# Allegro board A527_draft_V1_0.brd (continued)
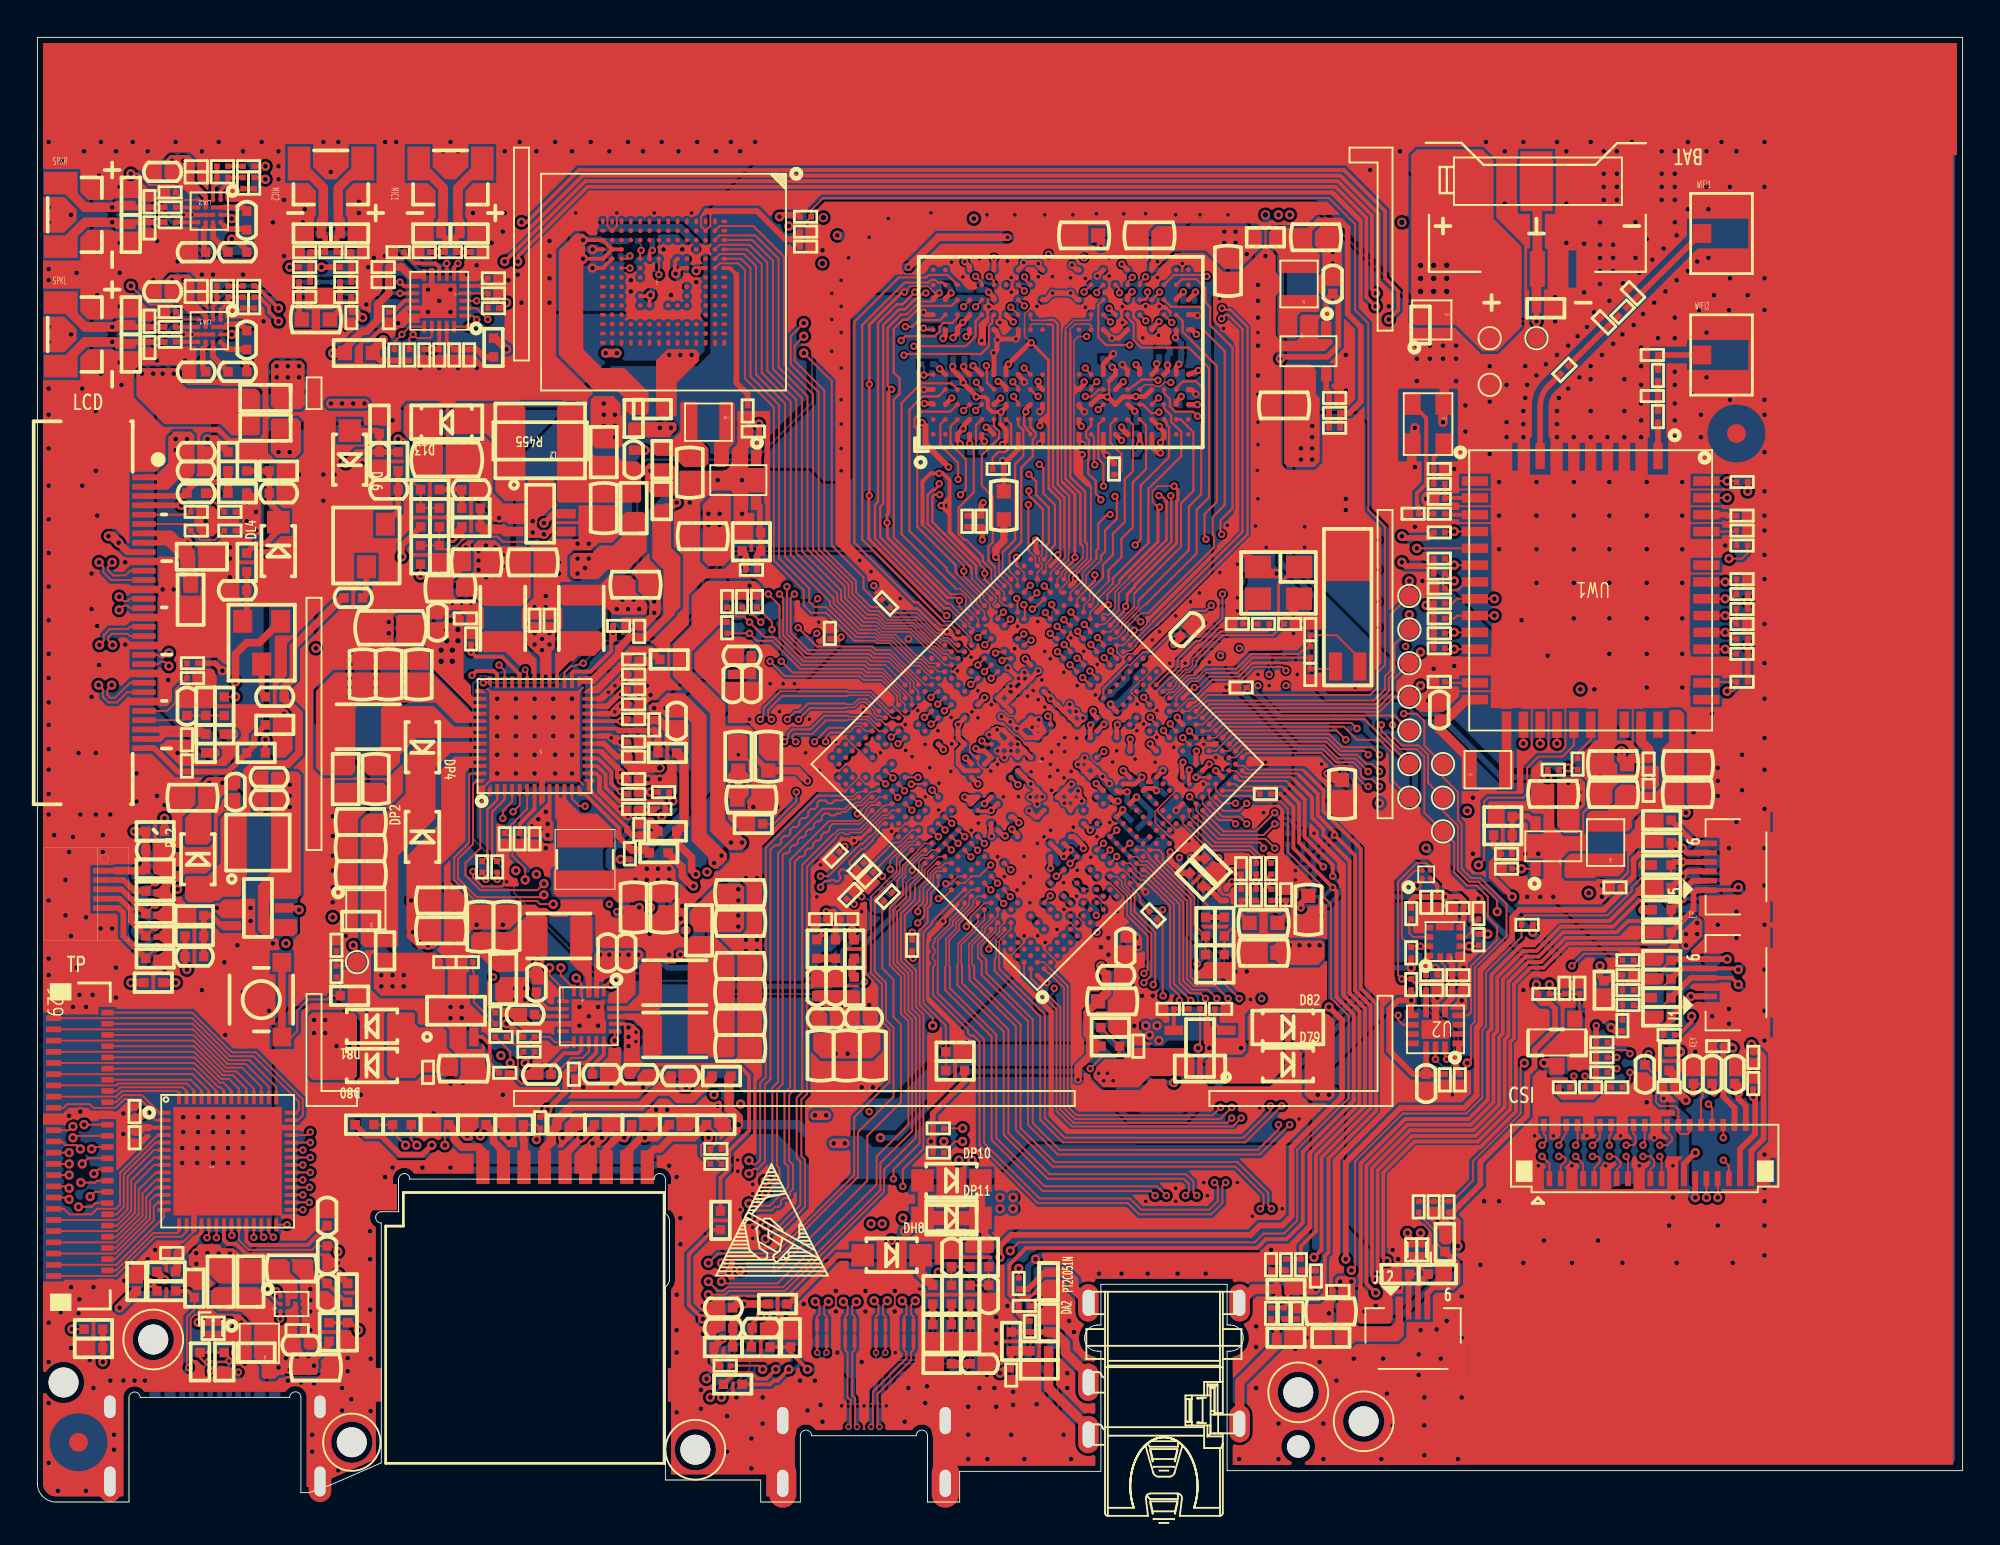
[diagram p0: board, top side]
## Nets (continued)
CLDO2: BL1.1 CP38.1 RL35.2 RL36.2 RL37.2 UP1.24(CLDO2)
CLDO3: C49.1 C50.1 C55.1 C56.1 C61.1 C91.1 C92.1 C93.1 C96.1 C97.1 C98.1 C100.1 C101.1 C102.1 C104.1 C105.1 C106.1 CM1.1 CM6.1 CP149.1 R6.2 R21.1 R22.1 R23.1 R24.1 R28.1 R29.1 R30.2 R31.2 R33.2 R35.2 R41.1 R42.1 R47.2 RA29.1 RC2.1 RC3.2 RC4.2 RH4.1 RL33.1 RL34.1 RP28.2 RP32.1 RP34.1 RP77.1 TP21.1(TP) U1.AC9(VDD33) U1.AE16(VCC-PI) U1.J18(VCC33-18-USB-2) U1.L15(VCC-IO) U1.L17(VCC33-USB-2) U1.L26(VCC-PD) U1.P9(VCC-PJ) U2.5(VDDIO) U2.8(VDD) U2.12(CS) U5.B1(VDD) U6.5(LEDA) U7.3(VDDIO) U7.7(VDD) UM1.E6(VCC1) UM1.F5(VCC2) UM1.J10(VCC3) UM1.K9(VCC4) UP8.14(PWRON)
CLDO4: CP42.1 CP67.2 RP31.1 UP1.27(CLDO4) UP7.1(EN)
CODEC0-AVDD: CA47.1 CA48.1 CA53.1 CA54.1 RA29.2 RA31.2 UA3.10(AVCC) UA3.18(VCC_DIO)
CPUS-TCK: TP33.1(TP) U1.AL7(PL5/S-JTAG-CK/S-CAN-RX0/S-PWM-5) U2.4(INT1/INT)
CPUS-TDI: RP43.2 TP35.1(TP) U1.AM8(PL7/S-JTAG-DI/S-PWM-7/I2S0-DOUT) UP5.1(EN)
CPUS-TDO: TP34.1(TP) U1.AN8(PL6/S-JTAG-DO/S-PWM-6/I2S0-DIN1) U2.9(INT2)
CPUS-TMS: TP32.1(TP) U1.AM7(PL4/S-JTAG-MS/S-CAN-TX0/S-PWM-4)
CPUS-TX: TP30.1(TP) U1.AN7(PL2/S-UART0-TX/S-UART1-TX/S-PWM)
CPUSLDO: C1.1 C2.1 CP20.1 RP33.1 U1.AC15(VDD-CPUS) UP1.28(CPUSLDO)
CPUX-RX: TP25.1(TP) U1.R29(PB10/UART0-RX/TWI0-SDA/PWM-1/I2)
CPUX-TCK: R23.2 TP26.1(TP) U1.N29(PB1/UART2-RX/SPI2-CLK/JTAG-CK/L)
CPUX-TDI: R21.2 TP23.1(TP) U1.M32(PB3/UART2-CTS/SPI2-MISO/JTAG-DI)
CPUX-TDO: R24.2 TP27.1(TP) U1.M31(PB2/UART2-RTS/SPI2-MOSI/JTAG-DO)
CPUX-TMS: R22.2 TP24.1(TP) U1.N28(PB0/UART2-TX/SPI2-CS0/JTAG-MS/L)
CPUX-TX: TP22.1(TP) U1.R28(PB9/UART0-TX/TWI0-SCK/TRACE-DAT)
CPVDD: C70.1 U1.AJ3(CPVDD)
CPVEE: C71.1 U1.AJ4(VEE) U1.AK2(CPVEE)
CTP-INT: DL7.2(CATHODE) JL4.2 TP8.1(TP) U1.C16(PH9/DMIC-DATA0/SPI2-CLK/I2S2-BC) UL3.22(IRQ)
CTP-RST: CL27.1 DL10.2(CATHODE) JL4.5 TP11.1(TP) U1.B16(PH10/DMIC-DATA1/SPI2-MOSI/I2S2-) UL3.23(SHUTDOWN)
D+: DU2.2(CATHODE) JU3.A6(DP1) JU3.B6(DP2) LU1.2 RU1.1
D-: DU3.2(CATHODE) JU3.A7(DN1) JU3.B7(DN2) LU1.3 RU2.1
DCDC1: C11.1 C12.1 C13.1 C14.1 C15.1 C16.1 C17.1 C18.1 CP5.1 CP6.1 LP1.2 U1.W19(VDD-CPUL0) U1.W21(VDD-CPUL1) U1.Y19(VDD-CPUL2) U1.Y21(VDD-CPUL3)
DCDC2: C25.1 C26.1 C27.1 C28.1 C29.1 C32.1 C33.1 C36.1 C37.1 C38.1 C39.1 C40.1 C41.1 C42.1 C82.1 C83.1 C84.1 C85.1 C108.1 C109.1 C110.1 C111.1 CP3.1 CP8.1 LP2.2 RP41.1 U1.J16(VDD09-PCIE) U1.L21(VDD09-HDMI) U1.M22(VDD09-EDP) U1.N13(VDD-VE0) U1.N21(VDD-DE0) U1.P13(VDD-VE1) U1.P21(VDD-DE1) U1.P22(VDD-DE2) U1.R15(VDD-SYS0) U1.R17(VDD-SYS1) U1.R18(VDD-SYS2) U1.T11(VDD-GPU0) U1.T13(VDD-GPU1) U1.U12(VDD-GPU2) U1.U13(VDD-GPU3)
DCDC3: CD1.1 CD2.1 CD3.1 CD4.1 CD5.1 CD6.1 CD7.1 CD12.1 CD13.1 CD14.1 CD15.1 CD16.1 CP15.1 LP3.2 RD1.2 RD2.2 RD10.2 RD11.2 RD12.2 RD13.2 U1.AA24(VCC-DRAM4) U1.AB24(VCC-DRAM5) U1.AC24(VCC-DRAM6) U1.W23(VCC-DRAM0) U1.W24(VCC-DRAM1) U1.W25(VCC-DRAM2) U1.Y24(VCC-DRAM3) UD1.A4(VDD2-0) UD1.A9(VDD2-1) UD1.AB4(VDD2-22) UD1.AB9(VDD2-23) UD1.F5(VDD2-2) UD1.F8(VDD2-3) UD1.H1(VDD2-4) UD1.H5(VDD2-5) UD1.H8(VDD2-6) UD1.H12(VDD2-7) UD1.K1(VDD2-8) UD1.K3(VDD2-9) UD1.K10(VDD2-10) UD1.K12(VDD2-11) UD1.N1(VDD2-12) UD1.N3(VDD2-13) UD1.N10(VDD2-14) UD1.N12(VDD2-15) UD1.R1(VDD2-16) UD1.R5(VDD2-17) UD1.R8(VDD2-18) UD1.R12(VDD2-19) UD1.U5(VDD2-20) UD1.U8(VDD2-21) UP1.29(FB3)
DCXO-XIN: C30.1 U1.AM13(DXIN) Y1.1(XIN)
DCXO-XOUT: R4.1 U1.AN13(DXOUT)
DDR-PARA-SEL-ADC: R7.2 R10.1 U1.W2(GPADC1)
DDR-PARA-SEL-GPIO: R6.1 R9.2 U1.B13(PH17/I2S3-DOUT1/I2S3-DIN0/RGMII)
DDR-PARA-SEL-GPIO1: R47.1 R48.2 U1.B14(PH16/I2S3-DOUT0/I2S3-DIN1/RGMII)
DSP-TCK: R25.1 TP37.1(TP) U1.AM9(PL9/S-TWI1-SDA/S-DJTAG-CK/S-RJT) U3.2(OUT)
DSP-TDI: CV7.1 QV1.1(GATE) RV13.2 RV14.2 TP39.1(TP) U1.AJ9(PL11/S-IR-RX/S-DJTAG-DI/S-RJTAG)
DSP-TDO: RU4.2 RU7.2 RU8.1 TP38.1(TP) U1.AK9(PL10/S-PWM-0/S-DJTAG-DO/S-RJTAG)
DSP-TMS: RP86.1 TP36.1(TP) U1.AN9(PL8/S-TWI1-SCK/S-DJTAG-MS/S-RJT)
EMMC-CLK: RM1.2 UM1.M6(CLK)
EMMC-CMD: RM9.1 U1.W33(PC6/NAND-RB0/SDC2-CMD/PC-EINT6) UM1.M5(CMD)
EMMC-D0: U1.V32(PC10/NAND-DQ5/SDC2-D0/SPIF-D5/P) UM1.A3(DAT0)
EMMC-D1: U1.U32(PC13/NAND-DQ3/SDC2-D1/PC-EINT13) UM1.A4(DAT1)
EMMC-D2: U1.T32(PC15/NAND-DQ1/SDC2-D2/SPI0-WP/S) UM1.A5(DAT2)
EMMC-D3: U1.W32(PC8/NAND-DQ7/SDC2-D3/SPIF-D7/PC) UM1.B2(DAT3)
EMMC-D4: U1.W31(PC9/NAND-DQ6/SDC2-D4/SPIF-D6/PC) UM1.B3(DAT4)
EMMC-D5: U1.V31(PC11/NAND-DQ4/SDC2-D5/SPIF-D4/P) UM1.B4(DAT5)
EMMC-D6: U1.U31(PC14/NAND-DQ2/SDC2-D6/PC-EINT14) UM1.B5(DAT6)
EMMC-D7: U1.T31(PC16/NAND-DQ0/SDC2-D7/SPI0-HOLD) UM1.B6(DAT7)
EMMC-DS: RM10.1 U1.W28(PC0/NAND-WE/SDC2-DS/PC-EINT0) UM1.H5(RCLK)
EMMC-RST: RM8.1 U1.Y31(PC1/NAND-ALE/SDC2-RST/PC-EINT1) UM1.K5(RST)
EXT-DCDC2: CP50.1 CP51.2 CW19.2 CW20.1 CW21.1 LP6.2 RP45.2 UW1.36(VBAT)
EXT-DCDC4: CP54.2 CP56.1 LP8.2 RP52.2 RP58.1
FEL: CP69.2 R525.2 TP40.1(TP) U1.F16(FEL)
GS-INT: R35.1 U1.A16(PH11/DMIC-DATA2/SPI2-MISO/I2S2-) U7.5(INT1)
HBIAS: CA1.1 RA2.2 U1.AL1(HBIAS)
HCEC: CON2.15(CEC) DH6.2(CATHODE) RH5.1 U1.E28(HCEC)
HDMI-CEC: DH8.K(2) RH5.2
HDMI-SCL: CH3.2 RH2.1 RH10.2
HDMI-SDA: CH2.2 RH1.1 RH9.2
HHPD: CH1.2 RH3.1 U1.D28(HHPD)
HP-DET: RA5.1 U1.AJ2(HP-DET)
HP-DET-1: DA2.2(CATHODE) DA17.2(CATHODE) JA1.5(N) JL5.4 RA1.1 RA5.2 TP41.1(TP)
HPOUTFB: CA3.2 CA7.1 RA10.2 RA45.2 RA47.1 RN2.1 U1.AM1(HPOUTFB)
HPOUTFB-1: DA5.2(CATHODE) DA14.2(CATHODE) JA1.2(G/M) JL5.5 RA40.2 RA47.2 RN1.2 TP45.1(TP)
HPOUTL: CA6.1 RA4.1 U1.AL2(HPOUTL)
HPOUTL-1: DA1.2(CATHODE) DA15.2(CATHODE) JA1.4(L) JL5.2 RA4.2 RA9.2 TP43.1(TP)
HPOUTR: CA5.1 RA6.1 U1.AM2(HPOUTR)
HPOUTR-1: DA3.2(CATHODE) DA16.2(CATHODE) JA1.3(R) JL5.3 RA6.2 TP42.1(TP)
HREXT: R44.2 U1.F26(HREXT)
HS-MIC: CA3.1 CA8.1 RA2.1 RA3.1 RA43.1 RA44.2 RN1.1
HS-MIC-1: DA4.2(CATHODE) DA18.2(CATHODE) JA1.1(M/G) JL5.1 RA3.2 RN2.2 TP44.1(TP)
HSCL: CON2.17(SCL) DH5.2(CATHODE) RH10.1 U1.D26(HSCL)
HSDA: CON2.18(SDA) DH4.2(CATHODE) RH9.1 U1.E26(HSDA)
HTX0N: CON2.11(D0-) DH2.2(IN2) DH2.9(OUT2) U1.C27(HTX0N)
HTX0P: CON2.9(D0+) DH2.1(IN1) DH2.10(OUT1) U1.B27(HTX0P)
HTX1N: CON2.8(D1-) DH1.5(IN4) DH1.6(OUT4) U1.B26(HTX1N)
HTX1P: CON2.6(D1+) DH1.4(IN3) DH1.7(OUT3) U1.A26(HTX1P)
HTX2N: CON2.5(D2-) DH1.2(IN2) DH1.9(OUT2) U1.C25(HTX2N)
HTX2P: CON2.3(D2+) DH1.1(IN1) DH1.10(OUT1) U1.B25(HTX2P)
HTXCN: CON2.14(CK-) DH2.5(IN4) DH2.6(OUT4) U1.B28(HTXCN)
HTXCP: CON2.12(CK+) DH2.4(IN3) DH2.7(OUT3) U1.A28(HTXCP)
I2S0-BCLK: U1.N32(PB5/TWI1-SDA/I2S0-BCLK/TRACE-CL) UA3.1(BCLK)
I2S0-DIN: U1.P32(PB8/OWA-OUT/I2S0-DIN0/I2S0-DOUT) UA3.3(PDMDAT/DOUT)
I2S0-LRCK: U1.N33(PB6/I2S0-LRCK/TRACE-DATA0/PWM-1) UA3.2(PDMCLK/LRCK)
I2S0-MCLK: U1.N31(PB4/TWI1-SCK/I2S0-MCLK/TRACE-DA) UA3.20(MCLK)
JTAG-SEL: TP5.1(TP) U1.G16(JTAG-SEL)
L/R: J11.6 RL1.1 RL5.2
LCD-BL-EN: RL20.1 U1.A14(PH18/IR-TX/I2S3-DOUT2/I2S3-DIN2)
LCD-PWM: RL25.1 RL28.1 RL30.2 U1.L32(PD23/PWM-0/SPI1-WP/DBI-TE/UART2)
LCD-RST: RL9.1 U1.L31(PD22/PWM-1/SPI1-HOLD/DBI-DCX/DB)
LCD-RST-1: CL28.1 J11.27 RL9.2 RL10.2
LCD-STBYB: J11.26 RL3.1 RL7.2
LCM-IOVDD: CL3.1 J11.3 RL11.2 RL14.2 RL38.2
LCM-VDD33: CL4.1 J11.28 J11.29 RL12.2 RL13.2
LED+: CV6.1 JV1.27(GND9) RV12.2
LED-: JV1.29(GND10) QV1.3(DRAIN)
LINEOUTLN: CA21.2 U1.AG1(LINEOUTLN)
LINEOUTLP: CA23.2 U1.AG2(LINEOUTLP)
LINEOUTRN: CA22.2 U1.AH1(LINEOUTRN)
LINEOUTRP: CA24.2 U1.AH2(LINEOUTRP)
LRADC0: C90.1 D2.2(CATHODE) R16.1 R17.1 R18.1 U1.V3(LRADC0)
MBIAS: CA32.2 CA33.2 RA21.2 RA22.2 U1.AK1(MBIAS)
MBIAS1: CA50.1 UA3.5(MICBIAS1)
MBIAS2: CA51.1 UA3.13(MICBIAS2)
MCSI-MCLK: CV5.1 JV1.26(MCLK_F) JV1.28(MCLK_B) RV1.1
MCSI-RST-F: JV1.31(RESET_F) RV2.2 U1.A2(PE7/I2S2-LRCK/LCD1-TRIG/NCSI-D9)
MCSI-RST-R: JV1.32(RESET_B) RV4.2 U1.B1(PE9/I2S2-DIN0/NCSI-D11/PE-EINT9)
MCSI-SCK: JV1.34(SCL) RV6.2 U1.G6(PE13/TWI4-SCK/UART5-TX/SPI2-MOS)
MCSI-SDA: JV1.35(SDA) RV7.2 U1.L7(PE14/TWI4-SDA/UART5-RX/SPI2-MIS)
MCSI-STBY-F: CV8.1 JV1.30(PWDN_F) RV3.2 U1.A3(PE6/I2S2-BCLK/LCD0-TRIG/NCSI-D8)
MCSI-STBY-R: CV9.1 JV1.33(PWDN_B) RV5.2 U1.B2(PE8/I2S2-DOUT0/LCD2-TRIG/NCSI-D)
MCSIA-CKN: JV1.14(MCN_B) U1.A10(PK4/MCSIA-CKN/TWI2-SCK/PK-EINT4)
MCSIA-CKP: JV1.15(MCP_B) U1.B10(PK5/MCSIA-CKP/TWI2-SDA/PK-EINT5)
MCSIA-D0N: JV1.11(MDN0_B) U1.A12(PK0/MCSIA-D0N/PK-EINT0)
MCSIA-D0P: JV1.12(MDP0_B) U1.B12(PK1/MCSIA-D0P/PK-EINT1)
MCSIA-D1N: JV1.8(MDN1_B) U1.B11(PK2/MCSIA-D1N/PK-EINT2)
MCSIA-D1P: JV1.9(MDP1_B) U1.C11(PK3/MCSIA-D1P/PK-EINT3)
MCSIB-D0N: JV1.5(MDN2_B) U1.E12(PK6/MCSIB-D0N/PK-EINT6)
MCSIB-D0P: JV1.6(MDP2_B) U1.D12(PK7/MCSIB-D0P/PK-EINT7)
MCSIB-D1N: JV1.2(MDN3_B) U1.E10(PK8/MCSIB-D1N/PK-EINT8)
MCSIB-D1P: JV1.3(MDP3_B) U1.D10(PK9/MCSIB-D1P/PK-EINT9)
MCSIC-CKN: JV1.23(MCN_F) U1.B7(PK16/MCSIC-CKN/TWI5-SCK/UART5-T)
MCSIC-CKP: JV1.24(MCP_F) U1.C7(PK17/MCSIC-CKP/TWI5-SDA/UART5-R)
MCSIC-D0N: JV1.20(MDN0_F) U1.B9(PK12/MCSIC-D0N/UART7-TX/TWI4-SC)
MCSIC-D0P: JV1.21(MDP0_F) U1.C9(PK13/MCSIC-D0P/UART7-RX/TWI4-SD)
MCSIC-D1N: JV1.17(MDN1_F) U1.A8(PK14/MCSIC-D1N/UART7-RTS/UART5-)
MCSIC-D1P: JV1.18(MDP1_F) U1.B8(PK15/MCSIC-D1P/UART7-CTS/UART5-)
MIC1N-MIC: CA37.2 CA41.2 CA43.1 DA10.2(CATHODE) JA4.2 JA4.4 RA25.2
MIC1P-MIC: CA31.2 CA35.2 CA37.1 DA11.2(CATHODE) JA4.1 JA4.3 RA23.2
MIC2N-MIC: CA39.2 CA42.2 CA44.1 DA12.2(CATHODE) JA5.2 JA5.4 RA26.2
MIC2P-MIC: CA34.2 CA36.2 CA39.1 DA13.2(CATHODE) JA5.1 JA5.3 RA24.2
MICIN1N: CA41.1 U1.AD1(MICIN1N)
MICIN1P: CA35.1 U1.AD2(MICIN1P)
MICIN2N: CA42.1 U1.AE1(MICIN2N)
MICIN2P: CA36.1 U1.AE2(MICIN2P)
MICIN3N: CA4.1 U1.AF1(MICIN3N)
MICIN3P: CA2.1 U1.AF2(MICIN3P)
MIPI-DSI1-CKN: J11.18 U1.J30(PD15/LCD0-D21/LVDS1-D2N/DSI1-CK)
MIPI-DSI1-CKP: J11.17 U1.J29(PD14/LCD0-D20/LVDS1-D2P/DSI1-CK)
MIPI-DSI1-DN0: J11.24 U1.G33(PD11/LCD0-D15/LVDS1-D0N/DSI1-D0)
MIPI-DSI1-DN1: J11.21 U1.H32(PD13/LCD0-D19/LVDS1-D1N/DSI1-D1)
MIPI-DSI1-DN2: J11.15 U1.J33(PD17/LCD0-D23/LVDS1-CKN/DSI1-D2)
MIPI-DSI1-DN3: J11.12 U1.K32(PD19/LCD0-DE/LVDS1-D3N/DSI1-D3N)
MIPI-DSI1-DP0: J11.23 U1.G32(PD10/LCD0-D14/LVDS1-D0P/DSI1-D0)
MIPI-DSI1-DP1: J11.20 U1.H31(PD12/LCD0-D18/LVDS1-D1P/DSI1-D1)
MIPI-DSI1-DP2: J11.14 U1.J32(PD16/LCD0-D22/LVDS1-CKP/DSI1-D2)
MIPI-DSI1-DP3: J11.11 U1.K31(PD18/LCD0-CLK/LVDS1-D3P/DSI1-D3)
OVP-INT: RP83.1 U1.E16(PH5/UART3-RX/SPI1-CLK/LEDC/RGMI)
PA-SHDN: RA11.2 RA12.2 U1.G12(PH6/UART3-RTS/SPI1-MOSI/OWA-IN/) UA1.A4(SHDN#) UA2.A4(SHDN#)
PA-VDD: CA9.1 CA12.1 CA13.1 CA14.1 CA16.1 CA17.1 RA41.2 RA42.2 UA1.A3(VDD0) UA1.B3(VDD1) UA2.A3(VDD0) UA2.B3(VDD1)
PCIE-REXT: R15.2 U1.E20(PCIE-REXT)
PLLTEST: TP6.1(TP) U1.AG17(PLLTEST)
PMU-SCK: RP5.2 U1.AN6(PL0/S-TWI0-SCK/S-PL-EINT0) UP1.52(SCK) UP8.6(SCL)
PMU-SDA: RP6.2 U1.AN5(PL1/S-TWI0-SDA/S-PL-EINT1) UP1.51(SDA) UP8.5(SDA)
POWKEY: D6.2(CATHODE) J1.2 R20.2 TP16.1(TP)
PS: CD34.1 CP2.1 CP7.1 CP11.1 CP16.2 CP18.2 CP19.2 CP26.1 CP33.1 CP34.1 CP49.1 CP53.1 CP139.1 CP145.1 CP146.1 LP4.1 RA42.1 RL15.1 RP10.1 RP14.1 RV12.1 UD2.4(IN) UP1.9(VIN1) UP1.15(ALDOIN) UP1.20(BLDOIN) UP1.25(CLDOIN) UP1.31(VIN3) UP1.32(VIN2) UP1.43(VSYS_1) UP1.44(VSYS_2) UP5.4(IN) UP7.4(IN) UP8.2(VIN3) UP8.17(VIN1) UP8.20(VIN2)
PS-EINT: R31.1 U1.B17(PH4/UART3-TX/SPI1-CS0/CPU-CUR-W) U6.2(/INT)
PWRON: CP1.1 R20.1 UP1.6(PWRON)
RESET-KEY: D5.2(CATHODE) J1.6 R19.2 TP20.1(TP)
RX00: J29.37 UL3.4(X_0)
RX01: J29.38 UL3.5(X_1)
RX02: J29.39 UL3.6(X_2)
RX03: J29.40 UL3.7(X_3)
RX04: J29.41 UL3.8(X_4)
RX05: J29.42 UL3.9(X_5)
RX06: J29.43 UL3.10(X_6)
RX07: J29.44 UL3.11(X_7)
RX08: J29.45 UL3.12(X_8)
RX09: J29.46 UL3.13(X_9)
RX10: J29.47 UL3.14(X_10)
RX11: J29.48 UL3.15(X_11)
RX12: J29.49 UL3.16(X_12)
RX13: J29.36 UL3.25(X_13)
RX14: J29.35 UL3.26(X_14)
RX15: J29.34 UL3.27(X_15)
RX16: J29.33 UL3.28(X_16)
RX17: J29.32 UL3.29(X_17)
RX18: J29.31 UL3.30(X_18)
RX19: J29.30 UL3.31(X_19)
RX20: J29.29 UL3.32(X_20)
RX21: J29.28 UL3.33(X_21)
RX22: J29.27 UL3.34(X_22)
RX23: J29.26 UL3.35(X_23)
RX24: J29.25 UL3.36(X_24)
RX25: J29.24 UL3.37(X_25)
RX26: J29.23 UL3.38(X_26)
RX27: J29.22 UL3.39(X_27)
SAA0: U1.AJ33(SA2) UD1.H2(CA0_A)
SAA1: U1.AJ32(SA11) UD1.J2(CA1_A)
SAA2: U1.AG30(SA1) UD1.H9(CA2_A)
SAA3: U1.AG29(SA10) UD1.H10(CA3_A)
SAA4: U1.AJ30(SA17) UD1.H11(CA4_A)
SAA5: U1.AJ31(SA9) UD1.J11(CA5_A)
SAB0: U1.AJ25(SBA1) UD1.R2(CA0_B)
SAB1: U1.AH25(SA4) UD1.P2(CA1_B)
SAB2: U1.AL25(SA8) UD1.R9(CA2_B)
SAB3: U1.AK25(SBA0) UD1.R10(CA3_B)
SAB4: U1.AJ27(SA16) UD1.R11(CA4_B)
SAB5: U1.AL29(SACT) UD1.P11(CA5_B)
SCKE0-A: U1.AM31(SCKE0) UD1.J4(CKE0_A)
SCKE0-B: U1.AN27(SA6) UD1.P4(CKE0_B)
SCKE1-A: U1.AL31(SA12) UD1.J5(CKE1_A)
SCKE1-B: U1.AM27(SBG1) UD1.P5(CKE1_B)
SCKN-A: U1.AN30(SCKN) UD1.J9(CK_C_A)
SCKN-B: U1.AN29(SA15) UD1.P9(CK_C_B)
SCKP-A: U1.AM30(SCKP) UD1.J8(CK_T_A)
SCKP-B: U1.AM28(SA14) UD1.P8(CK_T_B)
SCS0-A: U1.AN32(SCS0) UD1.H4(CS0_A)
SCS0-B: U1.AK29(SA13) UD1.R4(CS0_B)
SCS1-A: U1.AM32(SCS1) UD1.H3(CS1_A)
SCS1-B: U1.AK27(SA5) UD1.R3(CS1_B)
SDC0-CLK: DC3.2(CATHODE) JC1.5(CLK) RC1.2
SDC0-CMD: DC6.2(CATHODE) JC1.3(CMD) RC4.1 U1.B19(PF3/SDC0-CMD/JTAG-DO/TRACE-DATA)
SDC0-D0: DC2.2(CATHODE) JC1.7(DAT0) U1.A20(PF1/SDC0-D0/JTAG-DI/TRACE-DATA1)
SDC0-D1: DC1.2(CATHODE) JC1.8(DAT1) U1.B20(PF0/SDC0-D1/JTAG-MS/TRACE-DATA2)
SDC0-D2: DC8.2(CATHODE) JC1.1(DAT2) U1.A18(PF5/SDC0-D2/JTAG-CK/TRACE-CLK/I)
SDC0-D3: DC7.2(CATHODE) JC1.2(DAT3) U1.B18(PF4/SDC0-D3/UART0-RX/I2S3-DIN3/)
SDC0-DET: RC5.1 U1.D20(PF6/I2S3-MCLK/PF-EINT6)
SDIO-VSEL: RW23.2 UW1.24(NC/SDIO_VSEL)
SDQ0: U1.AE28(SDQ0) UD1.E4(DQ5_A)
SDQ1: U1.AE27(SDQ1) UD1.F4(DQ4_A)
SDQ2: U1.AG32(SDQ2) UD1.E2(DQ2_A)
SDQ3: U1.AH33(SDQ3) UD1.F2(DQ3_A)
SDQ4: U1.AE30(SDQ4) UD1.B2(DQ0_A)
SDQ5: U1.AD32(SDQ5) UD1.B4(DQ7_A)
SDQ6: U1.AE31(SDQ6) UD1.C2(DQ1_A)
SDQ7: U1.AD33(SDQ7) UD1.C4(DQ6_A)
SDQ8: U1.AC27(SDQ8) UD1.E9(DQ13_A)
SDQ9: U1.AC28(SDQ9) UD1.F9(DQ12_A)
SDQ10: U1.AC30(SDQ10) UD1.B9(DQ15_A)
SDQ11: U1.AC31(SDQ11) UD1.C9(DQ14_A)
SDQ12: U1.AA33(SDQ12) UD1.C11(DQ9_A)
SDQ13: U1.AA31(SDQ13) UD1.B11(DQ8_A)
SDQ14: U1.AA28(SDQ14) UD1.F11(DQ11_A)
SDQ15: U1.AA27(SDQ15) UD1.E11(DQ10_A)
SDQ16: U1.AM25(SDQ16) UD1.U2(DQ3_B)
SDQ17: U1.AN25(SDQ17) UD1.V2(DQ2_B)
SDQ18: U1.AH23(SDQ18) UD1.U4(DQ4_B)
SDQ19: U1.AK23(SDQ19) UD1.Y2(DQ1_B)
SDQ20: U1.AL23(SDQ20) UD1.V4(DQ5_B)
SDQ21: U1.AM22(SDQ21) UD1.AA2(DQ0_B)
SDQ22: U1.AN21(SDQ22) UD1.AA4(DQ7_B)
SDQ23: U1.AG21(SDQ23) UD1.Y4(DQ6_B)
SDQ24: U1.AG19(SDQ24) UD1.AA9(DQ15_B)
SDQ25: U1.AH19(SDQ25) UD1.AA11(DQ8_B)
SDQ26: U1.AK19(SDQ26) UD1.V11(DQ10_B)
SDQ27: U1.AL19(SDQ27) UD1.Y11(DQ9_B)
SDQ28: U1.AM21(SDQ28) UD1.U9(DQ12_B)
SDQ29: U1.AL21(SDQ29) UD1.U11(DQ11_B)
SDQ30: U1.AK21(SDQ30) UD1.Y9(DQ14_B)
SDQ31: U1.AH21(SDQ31) UD1.V9(DQ13_B)
SDQM0: U1.AE33(SDQM0) UD1.C3(DM0_A)
SDQM1: U1.AC32(SDQM1) UD1.C10(DM1_A)
SDQM2: U1.AM24(SDQM2) UD1.Y3(DM0_B)
SDQM3: U1.AN20(SDQM3) UD1.Y10(DM1_B)
SDQS0N: U1.AF33(SDQS0N) UD1.E3(DQS0N_A)
SDQS0P: U1.AF32(SDQS0P) UD1.D3(DQS0P_A)
SDQS1N: U1.AB33(SDQS1N) UD1.E10(DQS1N_A)
SDQS1P: U1.AB32(SDQS1P) UD1.D10(DQS1P_A)
SDQS2N: U1.AN23(SDQS2N) UD1.V3(DQS0N_B)
SDQS2P: U1.AM23(SDQS2P) UD1.W3(DQS0P_B)
SDQS3N: U1.AN19(SDQS3N) UD1.V10(DQS1N_B)
SDQS3P: U1.AM19(SDQS3P) UD1.W10(DQS1P_B)
SPKL+: CA30.1 CA64.1 DA9.2(CATHODE) JA2.1 JA2.3 RA14.2 TP15.1(TP)
SPKL-: CA29.1 CA67.1 DA8.2(CATHODE) JA2.2 JA2.4 RA18.2 TP13.1(TP)
SPKR+: CA27.1 CA57.1 DA7.2(CATHODE) JA15.1 JA15.3 RA16.2 TP14.1(TP)
SPKR-: CA26.1 CA60.1 DA6.2(CATHODE) JA15.2 JA15.4 RA20.2 TP12.1(TP)
SRST: U1.AG23(SRST) UD1.T11(RESET-N)
SW: CP17.2 DP4.1 LP4.2 UP1.45(SW_1) UP1.46(SW_2)
TS: JA14.3 JP1.2(TS) RP3.2 TP2.1(TP) UP1.39(TS)
TWI0-SCK: DL8.2(CATHODE) JL4.3 RL33.2 TP9.1(TP) U1.F18(PH0/TWI0-SCK/RGMII0-RXD1/RMII0-) UL3.20(SCL)
TWI0-SDA: DL9.2(CATHODE) JL4.4 RL34.2 TP10.1(TP) U1.E18(PH1/TWI0-SDA/RGMII0-RXD0/RMII0-) UL3.19(SDA)
TWI1-SCK: R28.2 U1.D18(PH2/TWI1-SCK/CPU-CUR-W/I2S2-DIN) U2.13(SCL/SCLK) U5.A2(SCL) U6.7(SCL) U7.12(SCX)
TWI1-SDA: R29.2 U1.C17(PH3/TWI1-SDA/IR-TX/I2S2-DIN2/RG) U2.14(SDA/SDIO/SDI) U5.B2(SDA) U6.1(SDA) U7.2(SDX)
TWI5-SCK: R42.2 U1.R30(PB11/TWI5-SCK/UART7-RTS/SPI1-CS) UA3.16(SCK)
TWI5-SDA: R41.2 U1.R31(PB12/TWI5-SDA/UART7-CTS/SPI1-CL) UA3.17(SDA)
TX00: J29.2 UL3.41(Y_0)
TX01: J29.3 UL3.42(Y_1)
TX02: J29.4 UL3.43(Y_2)
TX03: J29.5 UL3.44(Y_3)
TX04: J29.6 UL3.45(Y_4)
TX05: J29.7 UL3.46(Y_5)
TX06: J29.8 UL3.47(Y_6)
TX07: J29.9 UL3.48(Y_7)
TX08: J29.10 UL3.49(Y_8)
TX09: J29.11 UL3.50(Y_9)
TX10: J29.12 UL3.51(Y_10)
TX11: J29.13 UL3.52(Y_11)
TX12: J29.14 UL3.53(Y_12)
TX13: J29.15 UL3.54(Y_13)
TX14: J29.16 UL3.55(Y_14)
TX15: J29.17 UL3.56(Y_15)
TX16: J29.18 UL3.1(Y_16)
TX17: J29.19 UL3.2(Y_17)
U/D: J11.5 RL2.1 RL6.2
USB0-DM: LU1.4 RP17.2 RU2.2 U1.B24(USB0-DM)
USB0-DP: LU1.1 RP15.2 RU1.2 U1.A24(USB0-DP)
USB0-REXT: R13.2 U1.G22(USB0-REXT)
USB1-DM: LU2.3 RU5.2 U1.E24(USB1-DM)
USB1-DP: LU2.2 RU6.2 U1.D24(USB1-DP)
USB1-REXT: R14.2 U1.G24(USB1-REXT)
USB-DRVVBUS: RP84.1 U1.AK7(PL12/S-TWI2-SCK/S-PWM-8/S-UART0)
USB-VBUS: CP65.1 CU3.1 CU4.1 D80.K(2) D81.K(2) DU8.3 DU13.2(CATHODE) DU16.2(CATHODE) JU3.A4(VBUS1) JU3.A9(VBUS3) JU3.B4(VBUS2) JU3.B9(VBUS4) RP65.1 RP73.1 RP75.2 UP2.B3(IN2) UP2.C2(IN0) UP2.C3(IN1)
VCM-ADC: C67.1 U1.Y9(VCM-ADC)
VCOM: CL2.1 J11.30 RL4.1 RL8.2
VGH-LCD: CL17.1 DL4.2 RL22.2 RL24.2 RL38.1
VGL-LCD: CL20.1 DL6.1 J11.4 RL29.2 RL32.2
VLED+: C651.2 CL8.1 CL9.1 D13.K(2) J11.1 J11.2 R454.2 UL4.5(OVP)
VLED-: J11.7 J11.8 RL21.1 RL27.1 RL39.1
VMID: CP10.2 CP12.2 CP13.2 DP2.2 DP4.2 DP6.3 DU14.2(CATHODE) RP8.2 UP1.47(VMID_1) UP1.48(VMID_2)
VOL+: D3.2(CATHODE) J1.5 R17.2 TP19.1(TP)
VOL-: D4.2(CATHODE) J1.4 R18.2 TP18.1(TP)
VRA1: C64.1 U1.AG5(VRA1)
VRA2: C65.1 U1.AG4(VRA2)
VREFP-ADC: C68.1 R45.2 U1.AA9(VREFP-ADC)
VRP: C66.1 R57.1 U1.AC7(VRP)
WL-DIS-N: U1.AL5(PM5/S-IR-RX/S-RJTAG-DI/S-TWI2-S) UW1.44(WL_DIS_N/NC)
WL-REG-ON: RW9.1 U1.AN2(PM1/S-UART0-RX/S-UART1-RX/S-PWM) UW1.15(SD_RESET/WL_REG_ON)
WL-SDIO-CLK: CW8.2 RW1.2 RW5.1 UW1.18(SDIO_DATA_CLK)
WL-SDIO-CMD: RW6.1 U1.R2(PG1/SDC1-CMD/PG-EINT1) UW1.17(SDIO_DATA_CMD)
WL-SDIO-D0: RW4.1 U1.P3(PG2/SDC1-D0/PCIE0-PERSTN/PG-EIN) UW1.21(SDIO_DATA_0)
WL-SDIO-D1: RW3.1 U1.P2(PG3/SDC1-D1/PCIE0-WAKEN/PG-EINT) UW1.22(SDIO_DATA_1)
WL-SDIO-D2: RW8.1 U1.T3(PG4/SDC1-D2/PCIE0-CLKREQN/PG-EI) UW1.20(SDIO_DATA_2)
WL-SDIO-D3: RW7.1 U1.T2(PG5/SDC1-D3/PG-EINT5) UW1.19(SDIO_DATA_3)
WL-WAKE-AP: U1.AN3(PM0/S-UART0-TX/S-UART1-TX/S-PWM) UW1.16(SD_WAKE/WL_HOST_WAKE)
WREQIN: R2.1 U1.AK13(WREQIN)
X32KIN: C31.1 R3.1 U1.AM12(X32KIN) Y2.1
X32KOUT: C35.1 R3.2 U1.AM11(X32KOUT) Y2.2
XTAL-XON: RW12.1 RW17.1 UW1.13(GND/XTAL_XON)
XTAL-XOP: RW22.1 UW1.14(GPIO5/XTAL_XOP)
N1087342: CP17.1 RP10.2
N1088498: CP27.1 RP16.2 UP1.13(ALDO1)
N1091496: CP40.1 RP28.1 UP1.26(CLDO3)
N1092981: RP15.1 UP1.3(DP)
N1092985: RP17.1 UP1.2(DM)
N1093956: CP23.1 UP1.7(VREF)
N1094712: LP3.1 UP1.30(LX3)
N1095302: LP2.1 UP1.33(LX2)
N1096390: LP1.1 UP1.10(LX1_1) UP1.11(LX1_2)
N16421057: C34.1 R4.2 Y1.3(XOUT)
N16738321: CA5.2 RA7.2
N16738325: CA6.2 RA8.2
N16751131: CA10.2 UA2.C1(C1N)
N16751135: CA10.1 UA2.D2(C1P)
N16751227: CA11.2 UA2.B1(C2N0) UA2.B2(C2N1)
N16751239: CA11.1 UA2.D1(C2P)
N16751283: CA20.2 UA2.D3(PVDD)
N16751508: RA16.1 UA2.B4(VOP)
N16751512: RA20.1 UA2.D4(VON)
N16751951: CA22.1 RA15.1
N16751955: CA24.1 RA19.1
N16751963: CA28.2 RA15.2 UA2.A2(INN)
N16751967: CA28.1 RA19.2 UA2.A1(INP)
N16755485: CA18.2 UA1.C1(C1N)
N16755489: CA18.1 UA1.D2(C1P)
N16755521: CA15.2 UA1.B1(C2N0) UA1.B2(C2N1)
N16755553: CA15.1 UA1.D1(C2P)
N16755585: CA19.2 UA1.D3(PVDD)
N16755681: RA14.1 UA1.B4(VOP)
N16755685: RA18.1 UA1.D4(VON)
N16755841: CA21.1 RA13.1
N16755865: CA23.1 RA17.1
N16755869: CA25.2 RA13.2 UA1.A2(INN)
N16755873: CA25.1 RA17.2 UA1.A1(INP)
N16761244: CA38.1 RA21.1 RA23.1
N16761262: CA38.2 RA25.1 RA27.1
N16772805: CA49.1 RA31.1 UA3.4(RETN)
N16773134: CA52.1 UA3.8(VREF)
N16775948: CA55.2 CA56.1 CA58.1 RA32.1 RA33.2
N16775984: CA58.2 CA59.1 CA61.1 RA34.2 RA35.2
N16776020: CA57.2 RA33.1
N16776024: CA60.2 RA34.1
N16776879: CA62.2 CA63.1 CA65.1 RA36.1 RA37.2
N16776915: CA65.2 CA66.1 CA68.1 RA38.2 RA39.2
N16776951: CA64.2 RA37.1
N16776955: CA67.2 RA38.1
N16883114: RW11.2 UW1.2(WL_ANT0)
N16883116: RW10.2 UW1.9(WL_ANT1)
N16883252: CW3.2 CW5.1 RW10.1
N16883256: CW4.2 CW6.2 RW11.1
N16883260: CW1.1 CW3.1 JW1.1(CENTER)
N16883272: CW2.2 CW4.1 JW2.1(CENTER)
N16885175: CW14.1 RW17.2 YW1.1(XIN)
N16885194: CW15.1 RW22.2 YW1.3(XOUT)
N16886615: CW16.2 LW1.1 UW1.25(NC/VIN_LDO)
N16886881: LW1.2 UW1.26(NC/VIN_LDO_OUT)
N16921291: D83.2(CATHODE) KP4.1 KP4.2 R525.1
N16922585: R34.2 U7.1(SDO)
N16922662: R33.1 U7.11(PS)
N16922793: R36.1 U7.6(INT2)
N16923769: R27.1 U2.1(SDO/AD0)
N16924183: R26.2 U2.7(FSYNC)
N16937851: C95.1 R30.1 U6.8(VDD)
N17020418: RU10.1 UU1.3(ISET)
N17022172: RP86.2 RU9.1 UU1.4(EN)
N17036419: CP51.1 RP44.2 RP45.1 UP5.5(FB)
N17036516: LP6.1 UP5.3(LX)
N17038121: CP54.1 RP51.2 RP52.1 UP7.5(FB)
N17038224: LP8.1 UP7.3(LX)
N17060945: DC4.2(CATHODE) JC1.9(CD#) RC3.1 RC5.2
N17062757: CA40.1 RA22.1 RA24.1
N17062765: CA40.2 RA26.1 RA28.1
N17079515: RM1.1 U1.Y32(PC5/NAND-RE/SDC2-CLK/PC-EINT5)
N17228360: RW15.2 RW16.2 UW1.47(SUSCLK/NC)
N17439134: RW63.2 UW1.48(GND14/BT_ANT)
N17613566: RP68.1 UP3.3(ISET)
N17613580: CP59.2 CP62.2 D80.A(1) D81.A(1) UP3.1(OUT)
N17613662: RP74.2 RP84.2 UP3.4(EN)
N17613921: RP75.1 RP76.2 UP2.C1(OVLO)
N17613994: RP77.2 RP83.2 UP2.B1(ACOK#)
N17628716: DP5.1 RP14.2
N17640910: TP46.1(TP) U1.AM14(REFCLK-OUT)
N17651144: RW30.1 UW1.31(NC/LPO)
N17680610: R40.2 U1.C21(PCIE-REF-CLKN)
N17680613: R39.2 U1.B21(PCIE-REF-CLKP)
N17680936: TP49.1(TP) U1.F20(PCIE-TEST)
N17697156: RM7.2 UM1.A6(VSS5)
N17697160: RM6.2 UM1.J5(VSS4)
N17717959: CL6.1 CL7.1 L2.1 R455.1 RL15.2 RL17.2 UL4.6(VDD)
N17718058: RL20.2 RL25.2 RL26.2 UL4.4(EN)
N17718169: CL19.1 RL30.1 RL31.2
N17718175: D13.A(1) L2.2 R454.1 R455.2 UL4.1(LX)
N17718251: RL21.2 RL31.1 UL4.3(FB)
N17802756: RD5.1 U1.AA29(SZQ)
N17937702: RA43.2 U1.AJ1(MIC-DET)
N17946732: CA2.2 RA44.1
N17946768: CA4.2 RA45.1
N18009114: CL21.1 CL22.1 RL35.1 UL3.3(AVDD)
N18009268: CL29.1 RL36.1 UL3.18(VDD1V8)
N18009312: CL31.1 RL37.1 UL3.21(VDDIO)
N18009339: CL30.1 UL3.24(VTNC)
N18121847: CL13.2 CL14.1 DL2.A(1) LL1.2 UL1.1(LX)
N18121901: CL12.2 RL19.1 RL23.2 UL1.3(FB)
N18121909: CL14.2 DL5.3
N18121965: CL13.1 DL3.3
N18122037: CL16.1 DL3.2 RL22.1
N18122151: CL18.1 DL5.1 RL29.1
N18123015: DU11.2(CATHODE) J12.3 LU2.4 RU5.1
N18123017: DU10.2(CATHODE) J12.4 LU2.1 RU6.1
N18123140: DU9.2(CATHODE) J12.5 RU7.1
N18217197: CON2.1(HPD) DH3.2(CATHODE) RH3.2
N18217425: DH8.A(1) RH4.2
N18233780: CD33.1 CD35.1 LD1.2 RD7.1 RD8.2
N18233794: LD1.1 UD2.3(LX)
N18233816: RD4.1 UD1.A8(ZQ1)
N18233818: RD3.1 UD1.A5(ZQ0)
N18233823: CD33.2 RD8.1 RD9.2 UD2.5(FB)
N18234082: RD1.1 UD1.G2(ODT_CA_A)
N18234084: RD2.1 UD1.T2(ODT_CA_B)
N18255489: RW1.1 U1.R1(PG0/SDC1-CLK/PG-EINT0)
N18255972: RC1.1 U1.C19(PF2/SDC0-CLK/UART0-TX/I2S3-DIN2)
N18258261: RV1.2 U1.N7(PE15/MCSI2-MCLK/PWM-2/NCSI-D15/)
N18347648: JL5.6 R524.1
N18404073: R528.2 U6.3(LDR)
N18413684: R528.1 U6.4(LEDK)
N18513352: LP17.1 UP8.18(LX1)
N18513421: LP18.1 UP8.19(LX2)
N18513498: LP19.1 UP8.3(LX3)
N18513632: CP135.1 UP8.8(VREF)
N18513788: RP128.2 UP8.13(PWROK)
N18513817: RP129.2 RP130.2 UP8.11(IRQ)

Pads without a net: CON2 2; FID1 1; FID2 1; H1 1; H2 1; JU3 A8 B8; U1 A4 A5 A6 A22 A29 A30 A31 AA1 AA2 AA3 AA4 AA5 AA6 AB2 AB3 AC2 AC3 AC4 AC5 AC6 AE4 AE5 AE6 AG13 AH11 AH13 AH15 AH17 AJ7 AJ15 AJ17 AK15 AK17 AK33 AL15 AL16 AL17 AL27 AL32 AL33 AM15 AM16 AM17 AM18 AM33 AN15 AN17 AN26 B3 B4 B5 B6 B15 B22 B23 B29 B30 B31 B32 B33 C1 C2 C3 C4 C13 C15 C23 C29 C32 C33 D1 D2 D8 D14 D16 D22 D32 D33 E1 E2 E4 E5 E6 E8 E14 E22 E30 E31 E32 E33 F1 F2 F14 F28 F32 F33 G1 G2 G4 G5 G20 G30 G31 H2 H3 J1 J2 J4 J5 J7 K2 K3 L1 L2 L4 L5 L28 L29 M2 M3 N1 N2 N4 N5 P31 R32 R33 U5 U8 U10 U28 U29 U30 U33 V2 W3 W4 W5 W6 W9 W10 W29 Y2 Y3; U2 2 3 10 11; U7 10; UD1 A1 A2 A11 A12 AA1 AA12 AB1 AB2 AB11 AB12 B1 B12 G11 K5 K8 N5 N8; UM1 A1 A2 A7 A8 A9 A10 A11 A12 A13 A14 B1 B7 B8 B9 B10 B11 B12 B13 B14 C1 C3 C5 C7 C8 C9 C10 C11 C12 C13 C14 D1 D2 D3 D4 D12 D13 D14 E1 E2 E3 E5 E8 E9 E10 E12 E13 E14 F1 F2 F3 F10 F12 F13 F14 G1 G2 G3 G10 G12 G13 G14 H1 H2 H3 H12 H13 H14 J1 J2 J3 J12 J13 J14 K1 K2 K3 K6 K7 K10 K12 K13 K14 L1 L2 L3 L12 L13 L14 M1 M2 M3 M7 M8 M9 M10 M11 M12 M13 M14 N1 N3 N6 N7 N8 N9 N10 N11 N12 N13 N14 P1 P2 P7 P8 P9 P10 P11 P12 P13 P14; UP1 36 40; UP8 10; UW1 12 33 35 37 45

## Via types
v1: diameter 0.4, hole 0.2, TOP to BOTTOM, 852 vias
v2: diameter 0.5, hole 0.25, TOP to BOTTOM, 1378 vias
v3: diameter 0.35, hole 0.2, TOP to BOTTOM, 14 vias
v4: diameter 0.5, hole 0.3, TOP to BOTTOM, 34 vias

## Routing (per net, layer and track width the routed paths; a pad name or vN(x,y) marks a point on that pad's centre or on a via; arc(x,y) is an arc through that point)
AGND: length 1.2
  TOP w0.25: U1.AE3 v1(60.92,37.03)
  BOTTOM w0.3: C64.2 C65.2
AVCC: length 125.7
  TOP w0.254: v1(59.09,38.8) 58.73,38.44 U1.AB9
  TOP w0.3: v2(51.5,13.1) 51.5,13.7 52.1,14.3 64.9,14.3 65.4,14.8 66.6,14.8 67.1,15.3 67.1,18.99 69.8,21.69 69.8,25.8 v2(69.1,26.5) ; R16.2 84.4,25.2 v2(84.2,25.4) ; RA1.2 v2(80,30.5) ; RP57.2 33.8,37.73 v2(34,37.53) ; v1(63.9,33.2) 63.6,32.9 63.6,32.8
  ART03 w0.3: v2(45.7,14) 48.3,14 49.2,13.1 v2(51.5,13.1) ; v2(34,37.53) 34,37.5 34.2,37.3 34.2,36.77 33.33,35.9 31.9,35.9 30.63,34.63 30.63,33.73 31.97,32.4 33.9,32.4 34.5,33 34.5,33.6 35,34.1 35.45,34.1 v2(35.83,33.73) ; v1(63.9,33.2) 64.1,33.2 64.5,33.6 64.5,34 64,34.5 v1(63.2,34.5) ; v2(69.1,26.5) 70.7,26.5 72.7,28.5 72.7,29.5 74.47,31.27 74.47,34.83 v2(74.3,35)
  ART04 w0.3: v1(63.2,34.5) 62.7,35 62.7,36 59.9,38.8 v1(59.09,38.8) ; v1(63.9,33.2) 64.4,32.7 68.7,32.7 69,32.4 70.2,32.4 72.8,35 v2(74.3,35) ; v2(45.7,14) 45.7,15.22 39.25,21.67 39.25,21.89 37.1,24.04 37.1,29.64 35.55,31.19 35.55,32.55 35.9,32.9 35.9,33.63 35.83,33.7 v2(35.83,33.73)
  BOTTOM w0.3: RP59.2 58.8,39.09 v1(59.09,38.8) 59.09,38.38 R57.2 59.29,37.91 C63.1 ; v2(84.2,25.4) 83.5,26.1 83,26.1 81.5,27.6 81.5,29 v2(80,30.5) 77.6,32.9 76.4,32.9 v2(74.3,35)
AVDD-LCD: length 30.9
  TOP w0.3: 4.8,50.9 4.85,50.85 J11.9 ; RL4.2 v2(12.2,40.8) ; UL1.5 13.9,31.8 14,31.7 v2(14,31.7) ; RL19.2 CL12.1 7.9,28.6 v2(8,28.5)
  TOP w0.4: v2(10.6,43.9) 10.6,45.4 11.2,46 11.87,46 DL3.1 ; 4.8,50.9 v2(4.35,51.35)
  TOP w0.5: v2(3.8,51.7) 4,51.7 v2(4.35,51.35)
  ART04 w0.3: v2(8,28.5) 9.1,29.6 9.1,38.4 v2(9.2,38.5) ; v2(9.9,38.5) 9.6,38.2 9.6,33.7 10.7,32.6 12.1,32.6 13,31.7 v2(14,31.7)
DVDD: length 3.6
  TOP w0.2: UA3.19 21.9,62.1 CA45.1
  TOP w0.3: RA30.2 23.9,61.3 23.5,61.7 CA46.1 CA45.1
GND: length 2754.5
  TOP w0.076: v1(60.03,46.59) 59.76,46.59 58.8,45.64 U1.AN18 ; U1.R27 49.26,42.59 49.7,43.04 U1.U27 ; v1(43.7,35.4) 43.87,35.4 45.23,36.77 45.46,36.77 45.72,37.03 U1.C24 ; 59.51,43.39 59.51,43.74 60.58,44.82 v1(60.58,44.9) 59.96,44.9 58.52,43.46 58.52,43.32 58.83,43 v1(58.83,42.71) ; 59.95,53.23 59.79,53.39 ; 59.79,53.39 59.91,53.39 v1(60.04,53.26) ; 59.79,53.39 59.66,53.53 59.66,54.11 59.93,54.38 v1(60.82,54.38) ; 49.61,33.49 49.26,33.49 48.87,33.1 v1(48.6,33.1) ; 52.81,62.7 52.81,62.41 v1(53.17,62.05) ; U1.AM26 55.62,48.33 55.73,48.44 55.73,48.44 55.87,48.59 55.88,48.59 56.1,48.81 ; U1.A32 42.89,39.15 43.25,39.5 U1.C31 ; v1(48.25,64.72) 48,64.72 47.64,65.08 46.71,65.08 v1(46.39,64.77) ; v1(45.7,35.9) 45.87,36.07 46.18,36.07 46.43,36.32 U1.C22 ; 55.7,56.27 v1(55.9,56.07) ; 55.7,56.27 55.63,56.33 ; 55.7,56.27 55.7,55.87 55.63,55.94 55.63,56.33 ; v1(45.63,33.87) 45.63,34.34 46.62,35.33 46.86,35.33 47.14,35.61 47.49,35.61 ; U1.AN18 59.44,46.14 v1(59.65,46.14) ; U1.AN18 58.7,45.41 58.36,45.41 58.35,45.41 58.2,45.26 ; v1(48.45,31.1) 48.45,31.27 49.96,32.78 U1.C12 ; v2(56.9,29.7) 56.01,30.59 ; 56.01,30.59 56.01,30.99 56,30.99 55.62,31.37 U1.J3 ; 56.01,30.59 55.69,30.59 ; U1.L3 56.68,32.43 57.06,32.06 57.32,32.06 v1(57.78,31.6) 58.07,31.89 58.07,32.46 57.39,33.14 U1.N3 ; 55.6,55.1 55.46,55.23 55.46,56.5 ; 55.7,30.6 55.68,30.6 55.29,31 55.29,31.01 U1.G3 ; 46.8,33.88 46.8,34.14 47.28,34.62 47.56,34.62 47.84,34.9 U1.C18 ; 60.9,38.3 60.9,38.06 59.97,37.13 ; 57.99,45.26 57.74,45.51 U1.AM20 58.1,45.86 58.53,46.3 ; 57.99,45.26 58.09,45.26 ; 57.99,45.26 58.09,45.16 ; v1(48.65,47.46) 48.58,47.46 48.25,47.78 ; 64.32,44.24 64.27,44.18 62.68,44.18 62.1,43.6 v1(61.9,43.6) ; 47.21,65.89 47.06,65.73 46.43,65.73 46.35,65.81 46.02,65.81 45.95,65.89 ; 50.62,48.51 50.62,48.39 50.95,48.06 50.95,47.71 U1.AE32 ; 52.81,62.82 52.81,63.59 53.1,63.88 53.35,63.88 v1(53.48,64) ; 55.57,59.71 55.59,59.69 ; 55.57,59.71 55.52,59.76 ; 55.57,59.71 55.57,59.39 ; 55.59,59.69 55.59,59.69 55.59,59.41 ; 55.59,59.69 UD1.N4 55.59,59.41 ; 55.63,56.33 55.58,56.38 ; U1.E29 44.6,39.5 44.6,39.56 43.26,40.9 42.8,40.9 42.7,40.8 ; 52.47,50.07 52.79,49.75 U1.AK32 ; 55.59,59.41 55.57,59.39 ; 55.57,59.39 55.52,59.35 ; 55.58,56.38 55.58,55.79 ; 55.58,56.38 55.53,56.43 ; v1(56.13,62.39) 55.69,62.39 55.46,62.17 55.46,59.82 ; v1(51.55,58.34) 51.52,58.31 51.52,57.71 ; U1.C26 45.02,37.73 44.74,37.46 44.5,37.46 44.02,36.98 ; U1.AC29 51.13,45.86 50.82,45.55 50.36,45.55 U1.AA30 ; U1.AB12 56.68,39.5 56.36,39.83 56.36,40.18 U1.AB14 ; 55.58,55.79 55.53,55.84 55.53,56.43 ; 55.58,55.79 55.6,55.77 ; 55.52,59.76 55.46,59.82 ; 55.52,59.76 55.52,59.35 ; v1(58.69,46.66) 59.02,46.66 59.35,46.99 59.35,47.14 59.94,47.73 ; v1(50.9,29.6) 50.9,29.94 51.48,30.52 51.48,30.76 51.73,31.01 U1.C8 ; 51.01,41.99 51.38,42.36 51.71,42.36 51.84,42.23 51.84,42.23 51.98,42.08 52.34,42.08 52.44,41.98 ; 59.97,37.13 59.97,36.92 61.04,35.85 61.16,35.85 U1.AC1 ; 59.97,37.13 59.8,36.96 59.8,36.38 60.58,35.6 60.7,35.6 60.9,35.4 v1(61.6,35.4) ; 54.8,54.63 54.8,54.68 54.79,54.7 54.79,62.71 54.8,62.72 54.8,63.1 ; 49.89,40.5 49.89,40.15 50.18,39.85 U1.N22 50.32,39.5 50.42,39.4 50.42,39.4 50.59,39.23 50.91,39.23 v1(51.01,39.13) ; v1(44.2,42.4) 44.37,42.4 44.9,41.87 45.12,41.87 45.12,41.87 45.26,41.72 45.26,41.72 45.37,41.62 U1.J31 ; 55.46,59.29 55.46,59.82 ; 55.46,59.29 55.52,59.35 ; 55.46,59.29 55.46,56.5 ; U1.AL12 60.22,43.04 60.52,43.34 60.78,43.34 61.1,43.66 61.1,43.8 61.55,44.25 61.84,44.25 61.95,44.36 ; v1(61.4,44.9) 61.4,44.8 60.73,44.13 60.61,44.13 60.07,43.59 59.86,43.39 59.86,43.28 ; U1.C28 44.31,38.44 43.95,38.79 U1.C30 ; v1(41.83,39.15) 42.88,38.1 43.26,38.1 43.89,38.73 ; U1.R3 58.1,33.84 58.92,33.02 58.92,33.01 ; 58.09,45.26 58.2,45.26 ; 58.09,45.26 58.09,45.16 ; 54.7,28.75 53.92,29.54 v1(53.92,29.95) ; 58.09,45.16 58.1,45.15 ; 58.1,45.15 58.1,45 ; 58.1,45.15 58.1,45.16 58.2,45.26 ; 55.46,56.5 55.53,56.43 ; U1.AA32 49.7,46.13 49.7,45.77 49.92,45.55 49.95,45.55 49.95,45.52 ; U1.AM29 54.56,49.4 54.81,49.65 54.81,49.65 54.81,49.76 55,49.95 ; v1(52.79,30.31) 52.79,29.95 52.1,29.26 52.1,29 ; v1(63.46,62.81) 63.36,62.81 63,63.16 63,64.16 v1(63.25,64.41) ; 62.99,43.62 62.72,43.62 61.9,42.8 61.75,42.8 U1.AN10 ; U1.C10 50.67,32.08 49.9,31.3 49.9,31.04 ; U1.L33 45.72,42.68 46.43,41.97 v1(46.43,41.62) ; U1.AH32 52.09,49.05 51.44,49.69 51.44,50.42 ; 51.01,41.96 51.3,41.67 51.68,41.67 52.33,41.02 52.44,41.02 52.9,40.56 U1.V19 ; v1(48.66,46.59) 48.55,46.7 48.19,46.7 47.07,47.81 46.7,47.81 v1(46.16,48.36) ; U1.AG31 51.73,47.99 51.48,48.24 51.48,48.59